# Altium PCB Screen_v1.1.PcbDoc
Units mil, origin at the board's own origin, x right, y up, seen from the top; angles counter-clockwise.
Board outline 787.4 x 1732.28 mil, 2 copper layers (Top Layer, Bottom Layer); 7 components, 11 nets, 34 pads, 64 vias.
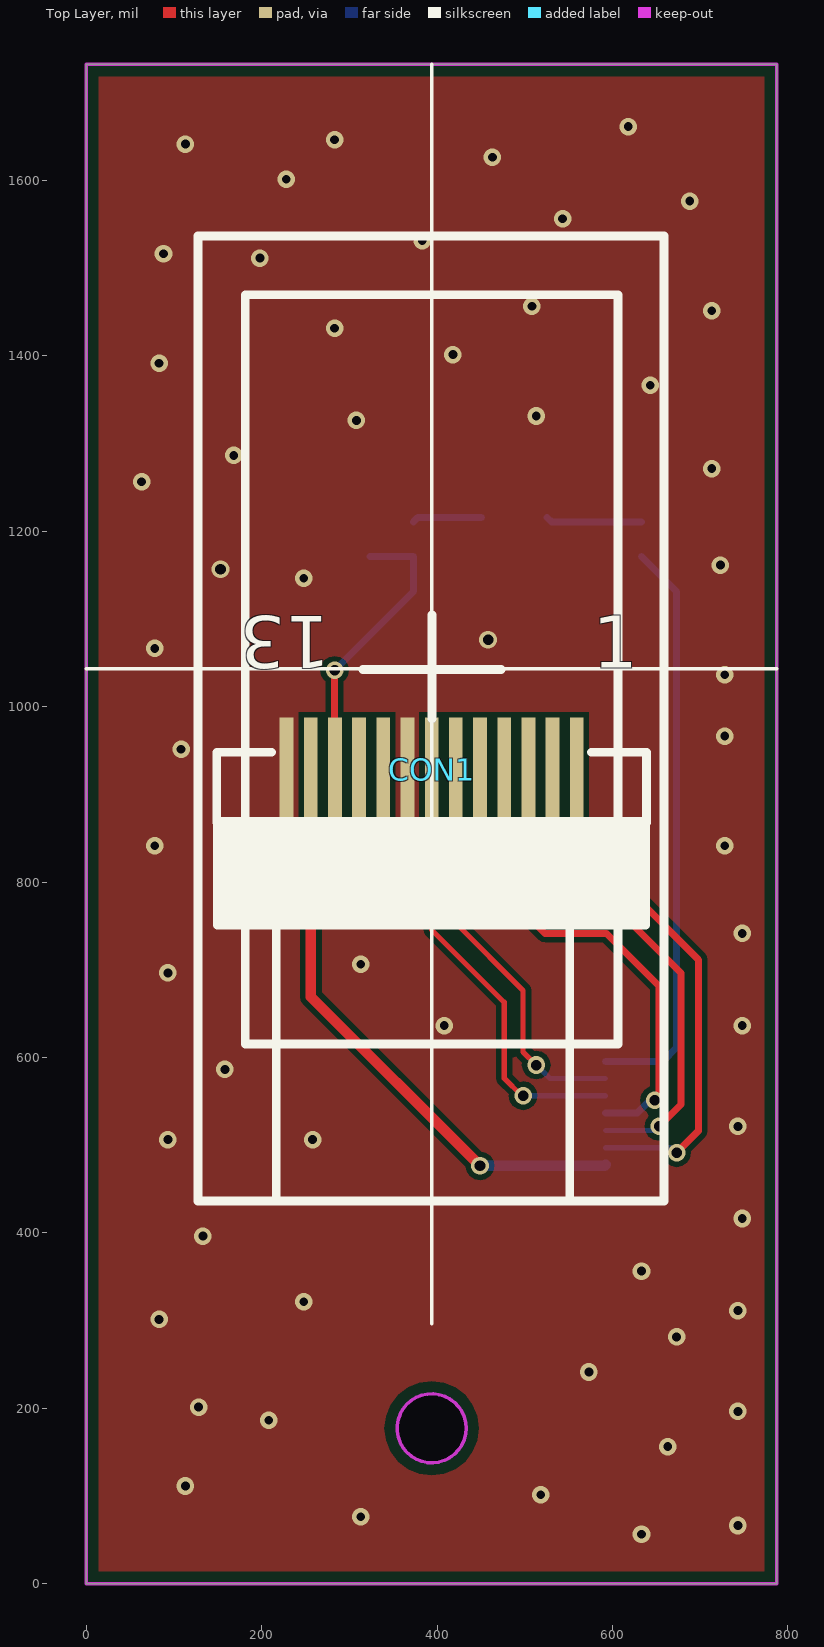
[diagram p0: Top Layer view]
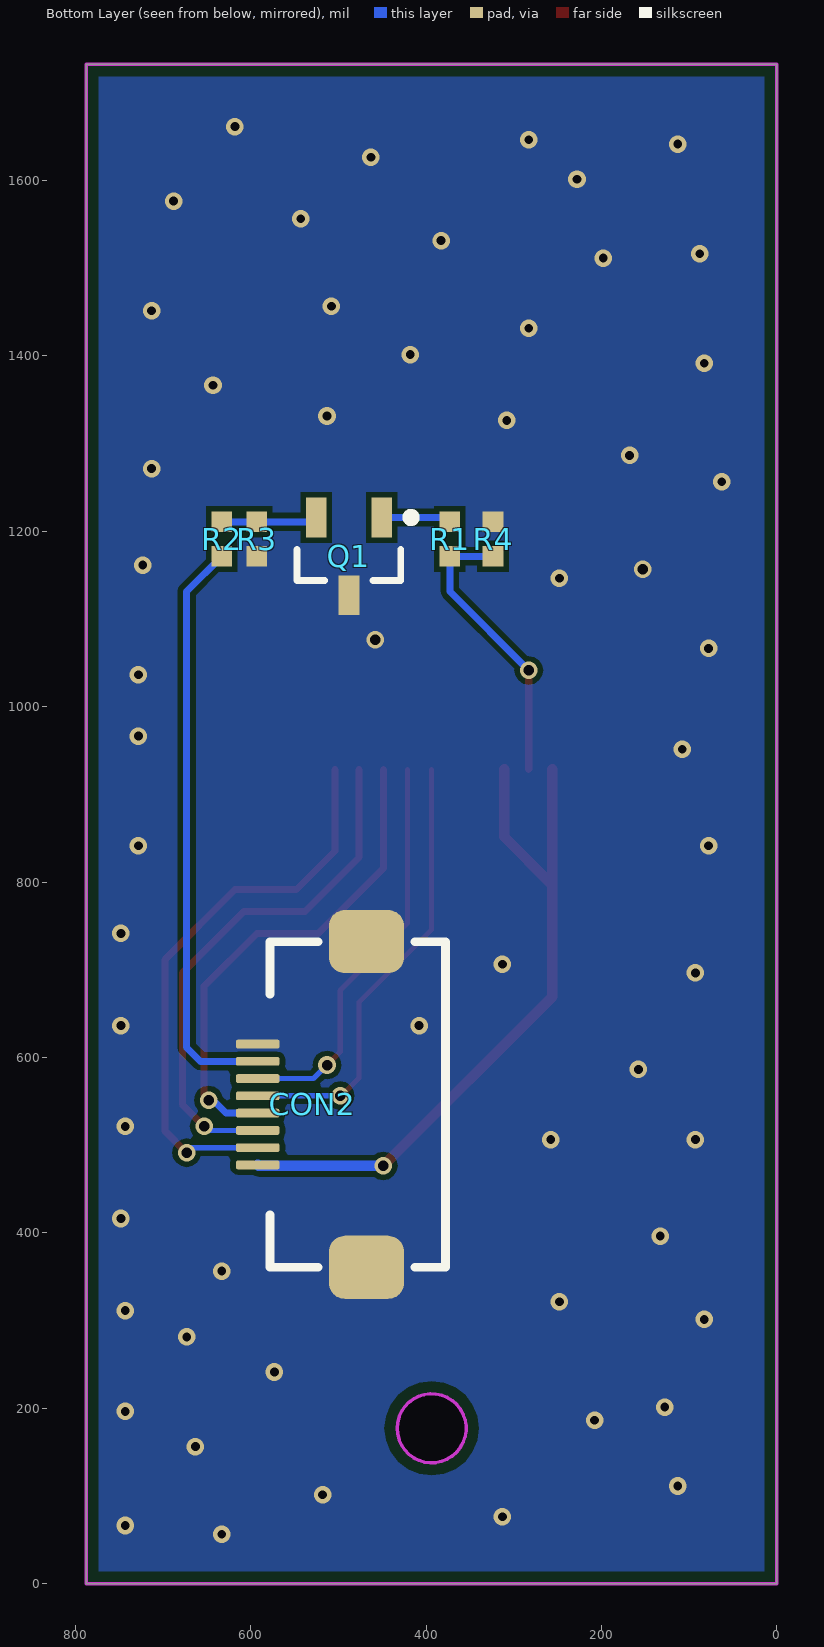
[diagram p1: Bottom Layer view, seen from below]
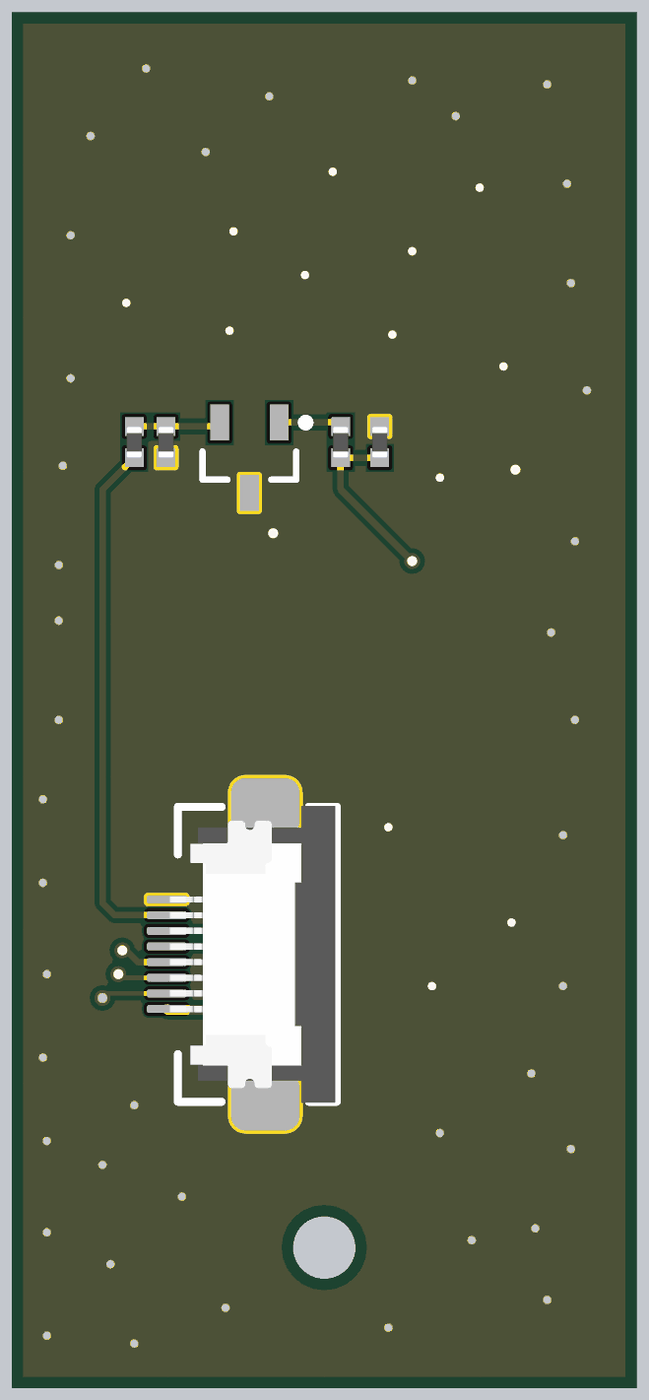
[diagram p2: 3D render of the assembled board from below, using the file's embedded part models]

## Layer stack, top to bottom
Top Solder: solder mask 0.4, Solder Resist, Dk 3.5
Top Layer: signal copper 1.4
Dielectric 1: dielectric 12.6, FR-4, Dk 4.8
Bottom Layer: signal copper 1.4
Bottom Solder: solder mask 0.4, Solder Resist, Dk 3.5

## Board outline
0,0 0,1732.28 787.4,1732.28 787.4,0
cut-out: 393.7,137.8 cw(c393.7,177.17) 354.33,177.17 cw(c393.7,177.17) 393.7,216.54 cw(c393.7,177.17) 433.07,177.17 cw(c393.7,177.17)

## Design rules (kind name [scope] priority, off if disabled: settings)
Clearance Clearance_outline [OnLayer('Keep-Out Layer')] p1: gap=12 ignorepadtopadclearanceinfootprint=FALSE except(0: Arc-Hole Track-Hole SMDPad-Hole THPad-Hole Via-Hole Fill-Hole Poly-Hole Region-Hole Text-Hole)
Clearance [All] p2: gap=6 ignorepadtopadclearanceinfootprint=FALSE except(0: Arc-Hole Track-Hole SMDPad-Hole THPad-Hole Via-Hole Fill-Hole Poly-Hole Region-Hole Text-Hole; 7: SMDPad-SMDPad; 8: Arc-Via Track-Via SMDPad-Via THPad-Via Via-Via)
DiffPairsRouting [All] p1: maxlimit=10 minlimit=8 mostfreqgap=8 toplayer_minwidth=8 toplayer_maxwidth=8 toplayer_prefwidth=8 bottomlayer_minwidth=8 bottomlayer_maxwidth=8 bottomlayer_prefwidth=8 maxuncoupledlength=500
HoleToHoleClearance [All] p1: gap=0 allowstackedmicrovias=TRUE
MinimumSolderMaskSliver [All] p1: minsoldermaskwidth=0
PlaneConnect [All] p1: planeconnectstyle=Relief reliefexpansion=20 reliefentries=4 reliefconductorwidth=10 reliefairgap=20
PolygonConnect [All] p1: connectstyle=Direct reliefconductorwidth=10 reliefentries=4 polygonreliefangle="90 Angle" airgapwidth=20
RoutingVias [All] p1: holewidth=10 width=18 viastyle="Through Hole" minholewidth=10 minwidth=18 maxholewidth=78.74 maxwidth=300
SilkToSilkClearance [All] p1: silktosilkclearance=0
SilkToSolderMaskClearance [IsPad] p1: minsilkscreentomaskgap=0 clearancetoexposedcopper=TRUE
SolderMaskExpansion [All] p1: expansion=4 istentingtop=FALSE
Width [All] p1: maxlimit=100 minlimit=6 preferedwidth=6
24 further rules are at their usual default settings.

## Components (designator, comment, footprint, x,y, rotation, side; value= is the part's Value field where it differs from the comment)
CON1 "LCD?" LCD_ST7735 392.98,986.34 r90 top locked
CON2 "FPC_0.5mm_8P" FFC_0.5_8 502.98,546.34 r90 bottom locked
Q1 "QNPN" SOT-23B_N 487.98,1171.34 r270 bottom
R1 "10R" RESC_0402 372.98,1191.03 r270 bottom value=22R
R2 "1K" RESC_0402 632.98,1191.03 r270 bottom value=22R
R3 "100K" RESC_0402 592.98,1191.03 r270 bottom value=22R
R4 "10R" RESC_0402 323.69,1191.03 r90 bottom value=22R

## Footprints (in the part's own frame and the unit in brackets; to place one, negate y for a bottom-side part, rotate by r counter-clockwise, add the part's x,y. Pads: shape width x height; smd on the part's side, far side on the other; paste and mask are expansions set on the pad)
FFC_0.5_8 [mil]
  rrect50% 72x86 smd: 0(-185.63,-35) 0(185.63,-35)
  rrect50% 10x50 smd: 1(-68.9,89) 2(-49.21,89) 3(-29.53,89) 4(-9.84,89) 5(9.84,89) 6(29.53,89) 7(49.21,89) 8(68.9,89)
  silkscreen extent -186,-125 186,75, body extent -187,-124 187,87, height 82
LCD_ST7735 [mm]
  rect 3x0.4 smd: 1(-1.475,-4.219) 2(-1.475,-3.519) 3(-1.475,-2.819) 4(-1.475,-2.119) 5(-1.475,-1.419) 6(-1.475,-0.719) 7(-1.475,-0.019) 8(-1.475,0.681) 9(-1.475,1.381) 10(-1.475,2.081) 11(-1.475,2.781) 12(-1.475,3.481) 13(-1.475,4.181)
  silkscreen extent -13.97,-6.75 13.97,6.75, body extent -13.98,-6.75 13.97,6.75, height 1.6
RESC_0402 [mm]
  rect 0.6x0.6 smd: 1(-0.5,0) 2(0.5,0)
  body extent -0.5,-0.25 0.5,0.25, height 0.38
SOT-23B_N [mm] "SOT23, 3-Leads, Body 2.9x1.3mm, Pitch 0.95mm, Lead Span 2.4mm, IPC Medium Density"
  rect 1.15x0.6 smd: 1(-1.125,0.95) 2(-1.125,-0.95) 3(1.125,0)
  silkscreen extent -1.25,-1.5 0.7,1.92, body extent -0.7,-1.5 0.7,1.5, height 1.14

## Part data
CON1: library part LCD_ST7735, "屏幕排线接口"
CON2: "FPC连接器"
Q1: "NPN Bipolar Transistor", LatestRevisionDate=29-May-2009, LatestRevisionNote="IPC-7351 Footprint Added.", PackageDescription="3-Pin SOT-23 Package 0.95 mm Pitch, 2.4 mm Lead Span", PackageReference=SOT-23B, PackageVersion=Aug-1999, Published=8-Jun-2000, Publisher="Altium Limited"
R1 R2 R3 R4: library part 电阻-0402, "贴片电阻"

## Via types
v1: diameter 20, hole 10, Top Layer to Bottom Layer, tented both sides, 55 vias
v2: diameter 20, hole 12, Top Layer to Bottom Layer, tented both sides, 9 vias

## Nets (pads, with @x,y where several pads share a name; then routed paths per layer and width w, separated by ;. In a path a pad name is that pad's centre, name@x,y a point inside that pad or via, vN(x,y) a via of type N, cw(c..) or ccw(c..) an arc to the next point about the centre after c; other vN are vias at no path point)
3V3: CON1.10 CON1.12 CON2.1 | length 830.2
  Top Layer w12: CON1.12 255.94,796.34 ; CON1.10 311.05,851.46 255.94,796.34 ; v2(448.85,476.34) 255.94,669.26 255.94,796.34
  Bottom Layer w12: v2(448.85,476.34) 590.88,476.34 CON2.1
BLK: CON2.7 R2.2 | length 664.1
  Bottom Layer w8: CON2.7 657.19,595.56 672.98,611.34 672.98,1131.34 R2.2
CS: CON1.7 CON2.5 | length 510.1
  Top Layer w6: CON1.7 393.73,745.59 476.41,662.92 476.41,576.34 496.41,556.34 v2(497.98,556.34)
  Bottom Layer w6: v2(497.98,556.34) 498.14,556.19 CON2.5
DC: CON1.5 CON2.4 | length 566.7
  Top Layer w8: CON1.5 448.85,815.47 522.98,741.34 592.98,741.34 652.98,681.34 652.98,556.34 v2(647.98,551.34)
  Bottom Layer w8: CON2.4 628.14,536.5 642.98,551.34 v2(647.98,551.34)
GND: CON1.8 CON1.13 CON2.0 CON2.8 Q1.3 R3.2 R4.2
  other v1: 632.98,56.34 742.98,66.34 312.98,76.34 517.98,101.34 112.98,111.34 662.98,156.34 207.98,186.34 742.98,196.34 127.98,201.34 572.98,241.34 672.98,281.34 82.98,301.34 742.98,311.34 247.98,321.34 632.98,356.34 132.98,396.34 747.98,416.34 92.98,506.34 257.98,506.34 742.98,521.34 157.98,586.34 407.98,636.34 747.98,636.34 92.98,696.34 312.98,706.34 747.98,741.34 77.98,841.34 727.98,841.34 107.98,951.34 727.98,966.34 727.98,1036.34 77.98,1066.34 247.98,1146.34 722.98,1161.34 62.98,1256.34 712.98,1271.34 167.98,1286.34 307.98,1326.34 512.98,1331.34 642.98,1366.34 82.98,1391.34 417.98,1401.34 282.98,1431.34 712.98,1451.34 507.98,1456.34 197.98,1511.34 87.98,1516.34 382.98,1531.34 542.98,1556.34 687.98,1576.34 227.98,1601.34 462.98,1626.34 112.98,1641.34 282.98,1646.34 617.98,1661.34
  other v2: 457.98,1076.34 152.98,1156.34
MOSI: CON1.3 CON2.2 | length 652
  Top Layer w8: CON1.3 503.97,835.36 547.98,791.34 617.98,791.34 697.98,711.34 697.98,516.34 v2(672.98,491.34)
  Bottom Layer w6: CON2.2 667.19,497.13 v2(672.98,491.34)
NetCON1_11: CON1.11 R1.2 R4.1 | length 329.9
  Top Layer w8: v2(282.98,1041.34) 282.98,928.79 CON1.11
  Bottom Layer w8: v2(282.98,1041.34) 372.98,1131.34 R1.2 R4.1
NetQ1_1: Q1.1 R1.1 | length 79.6
  Bottom Layer w8: R1.1 377.9,1215.64 Q1.1
NetQ1_2: Q1.2 R2.1 R3.1 | length 109.6
  Bottom Layer w8: Q1.2 530.3,1210.71 R3.1 R2.1
RST: CON1.6 CON2.6 | length 460.3
  Top Layer w6: CON1.6 421.29,753.03 497.98,676.34 497.98,606.34 v2(512.98,591.34)
  Bottom Layer w6: v2(512.98,591.34) 528.45,575.87 CON2.6
SCLK: CON1.4 CON2.3 | length 604.7
  Top Layer w8: CON1.4 476.41,827.92 537.98,766.34 607.98,766.34 677.98,696.34 677.98,546.34 v2(652.98,521.34)
  Bottom Layer w6: CON2.3 648.45,516.82 v2(652.98,521.34)
pads on no net: CON1.1 CON1.2 CON1.9

## Polygon pours and split planes (outlines as drawn)
GND on Top Layer "GND_L01_P007" (solid, remove dead copper, pour order 7): -47.02,1811.34 -37.02,1821.34 867.98,1821.34 867.98,-63.66 837.98,-93.66 827.98,-103.66 -52.02,-103.66 -52.02,1801.34 -47.02,1806.34
GND on Bottom Layer "GND_L02_P009" (solid, remove dead copper, pour order 9): -72.02,1786.34 -67.02,1791.34 857.98,1791.34 857.98,-73.66 852.98,-78.66 837.98,-63.66 -77.02,-63.66 -77.02,1771.34 -67.02,1781.34

## Keep-outs
Keep-Out Layer:
  circle w3.94: c393.7,177.17 r39.37
  lines w3.94: 0,0 787.4,0 787.4,1732.28 0,1732.28 0,0

## Silkscreen, mask and mechanical layers (free items; w line width, h text height)
Top Overlay:
  lines w3.94: 0,1043.31 787.4,1043.31 ; 393.7,296.34 393.7,1732.28
Mechanical 8:
  lines w0.5: 2700.64,-2211 2700.64,-2183.45

## Text inside footprints (layer, text, board x,y; h text height)
CON1: Top Overlay "13" at 277.84,1103.1 h59.05 r180; Top Overlay "1" at 577.6,1044.04 h59.05